# KiCad board ThunderKillV1.kicad_pcb (continued)
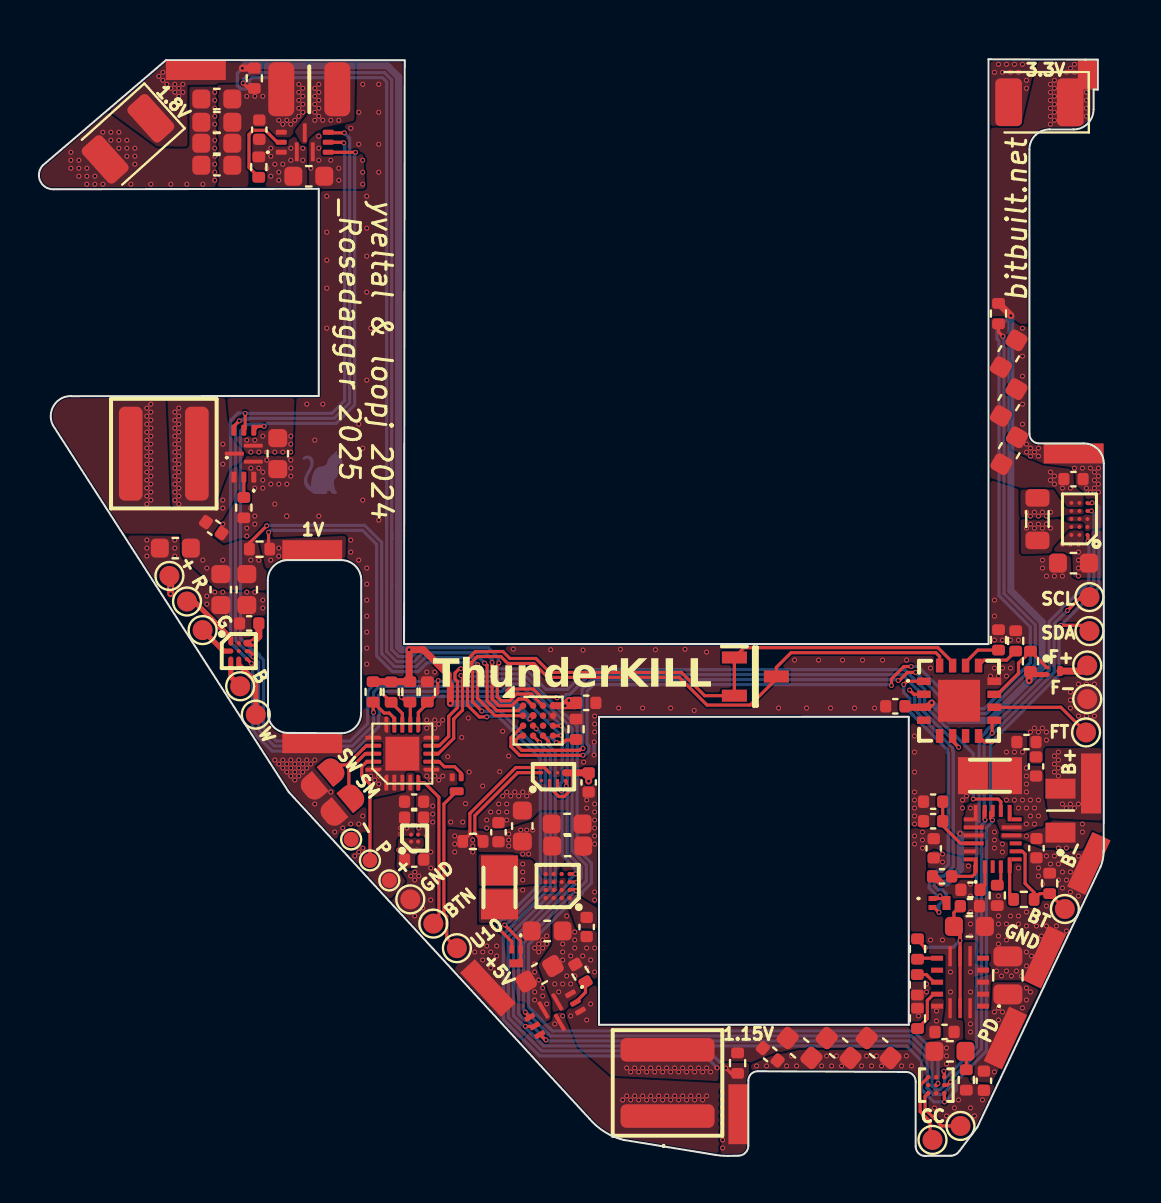
[diagram p0: board, top side]
## Routing (per net, layer and track width the routed paths; a pad name or vN(x,y) marks a point on that pad's centre or on a via; arc(x,y) is an arc through that point) (continued)
Net-(U4-LX1):
  vias: v1(49.34,31.4) v1(49.54,31.6) v1(49.74,31.4) v1(49.94,31.6) v1(50.14,31.4) v1(50.34,31.6) v1(50.54,31.4)
Net-(U4-LX2):
  vias: v1(49.34,32.2) v1(49.54,32) v1(49.74,32.2) v1(49.94,32) v1(50.14,32.2) v1(50.34,32) v1(50.54,32.2)
Net-(U4-VOUT): length 49.9
  Top w0.16: v1(48.17,40.99) 47.94,41.22 R34.1 ; v1(43.8,24.18) 43.39,24.18 42.99,23.78 v1(42.93,23.78) ; v1(27.16,20.38) 27.12,20.33 27.04,20.33 27,20.29 24.09,20.29 23.8,20.58 23.8,20.81 24.01,21.02 U8.D1
  Bottom w0.16: v1(27.16,20.38) 27.12,20.42 27.12,23.35 27.59,23.82 42.89,23.82 v1(42.93,23.78) ; v1(43.8,24.18) 45.86,22.12 47.34,22.12 49.78,24.57 49.78,26.56 48.22,28.13 48.22,40.94 v1(48.17,40.99)
  vias: v1(50.54,34.2) v1(50.54,33.8) v1(50.74,34) v1(50.74,33.6) v1(51.14,33.4) v1(51.54,33.4)
Net-(U8-ADDRSEL): length 2.3
  Top w0.16: 26.81,20.8 26.31,20.8 26.19,20.68 v1(25.83,20.68)
  Bottom w0.16: v1(24.82,21.36) 25.27,20.91 25.59,20.91 25.71,20.8 v1(25.83,20.68)
Net-(U9-CC1): length 3
  Top w0.16: U9.C1 44.27,2.98 44.27,2.33 45.1,1.5 TP16.1
Net-(U9-CC2): length 3.5
  Top w0.16: 44.52,0.78 44.52,1.72 44.02,2.22 44.02,3.53 U9.A1

## Copper pours and planes (outline as drawn; the poured copper is in the pictures)
+1V0 on Top: 10.96,30.81 11.38,28.98 11.71,29.55 12.26,29.78 15.27,29.77 15.31,31.02
+1V8 on Top: 3.38,52.31 5.86,50.49 7.37,50.48 7.37,53.57 10.33,53.59 10.41,53.89 11.21,53.99 11.19,54.79 6.27,54.8
+1V8_ALW on Top: 17.92,15.9 18.76,15.91 18.72,17.22 18.72,18.2 18.73,19.18 18.31,19.18 18.31,18.2 17.49,18 16.67,17.83 16.65,15.3 16.35,13.97 17.44,12.75 18.3,13.73 17.82,14.37
+1V15 on Top: 34.04,4.64 35.47,4.64 35.41,0.42 35.26,0.15 34.98,0.02 33.98,0.04
+3V3 on Top: 47.42,42 48.48,42 49.47,41.31 49.49,50.41 49.73,50.99 50.4,51.34 51.77,51.34 52.3,51.5 52.67,52 52.7,53.33 52.92,53.33 52.92,54.85 49.94,54.83 49.16,51.57 47.45,51.4
+5V on Top: 21.72,16.25 21.84,15.11 21.85,11.56 23,11.57 23.82,7.63 24.25,7.63 25.2,6.69 23.88,5.79 20.67,9.27 21.43,10.36 20.53,10.98 20.31,12.3 20.23,16.39
GND on Top: 62.44,71.47 62.44,-5.7 -7.52,-5.7 -7.52,71.47
GND on Bottom: 62.44,71.47 62.44,-5.7 -7.52,-5.7 -7.52,71.47
GND on In1.Cu: 62.44,71.47 62.44,-5.7 -7.52,-5.7 -7.52,71.47
VBUS on Top: 47.03,15.45 47.04,15.03 46.05,15.03 44.7,15.38 44.3,15.16 44.33,13.71 45.14,13.65 45.21,11.88 45.23,11.09 46.05,10.91 46.18,5.9 45.89,5.55 45.8,3.79 44.64,3.79 44.6,4.22 44.13,4.81 44.27,5.68 45.18,5.82 45.17,6.53 45.3,7.37 45.29,10.04 43.49,10.1 43.51,11.22 43.46,16.4 45.15,16.36 46.02,15.54
VDD on Top: 13.44,50.58 13.46,48.37 16.28,48.37 16.13,50.58 14.08,50.58 14.15,51.43 13.48,50.84
VDD on Top: 51.54,31.3 52.2,31.28 53.23,31.28 53.18,28.89 51.68,28.93 51.64,30.1 50.5,30.14
VDD on Top: 48.04,16.26 49.16,16.2 49.94,16.47 50.59,16.46 50.36,17.61 50.26,19.51 49.37,19.53 49.37,21.17 47.53,21.18 47.53,17.91 47.51,17.66
VDD on Top: 23.82,7.63 24.25,7.63 25.2,6.69 25.54,6.8 25.53,7.74 25.2,8.52 24.8,9.56 25.53,10.59 25.53,11.84 25.89,12.81 25.89,13.1 25.14,13.11 23.84,11.61 23,11.57
VDD on Top: 18.76,15.91 19.19,15.91 19.2,15.5 18.76,14.98 18.76,14.37 17.82,14.37 17.92,15.9
VDD on Top: 10.19,35.12 12.63,35.12 12.73,37.99 9.34,38.01 9.54,36.02 10.19,35.37
VDD on In2.Cu: 62.44,71.47 62.44,-5.7 -7.52,-5.7 -7.52,71.47
+BATT on Top: 53.2,16.76 53.2,15.32 50.14,15.42 49.13,15.83 48.03,15.83 48.04,16.26 49.16,16.2 49.94,16.47 50.59,16.46 50.51,16.89
Net-(F1-Pad2) on Top: 53.2,16.76 53.2,20.4 50.27,20.4 50.26,19.51 50.36,17.61 50.51,16.89
Net-(IC1-SW) on Top: 47.32,15.83 45.83,15.83 45.38,16.32 45.38,20.58 47.54,20.62 47.51,17.66 46.19,17.66 46.2,16.24 47.31,16.24
Net-(IC3-CAP) on Top: 26.29,13.1 26.71,13.1 27.93,12.36 28,11.35 26.85,11.39 26.5,12.37
Net-(IC3-HVLX_1) on Top: 25.89,13.87 25.89,13.5 24.84,13.51 23.71,13.41 21.85,13.41 21.84,15.11 23.66,15.09 24,14.83 24.54,14.83 24.65,14.75 25.11,13.89
Net-(IC3-LVLX_1) on Top: 25.89,13.5 25.89,13.1 25.14,13.11 23.85,11.61 21.85,11.56 21.85,13.41 23.71,13.41 24.84,13.51
Net-(IC3-OUT_1) on Top: 24,14.83 24.54,14.83 25.11,13.89 25.89,13.87 25.89,14.28 26.38,14.98 26.39,17.19 25.03,17.19 24.6,16.73 23.21,16.3 21.72,16.25 21.84,15.11 23.66,15.09
Net-(IC5-EN) on Top: 47.61,3.66 45.8,3.79 45.68,5.72 46.17,5.86 46.03,10.69 46.88,10.7 46.73,9.63 47.47,9.41 47.48,9.16 46.7,8.96 46.81,7.28 47.57,7.28 47.65,8.69 49.2,8.69 49.98,8.29
Net-(U1-SW) on Top: 10.19,34.9 9.51,34.27 8.99,32.69 8.8,32.39 6.51,32.38 6.27,38 9.34,38.01 9.54,36.02 10.19,35.37
Net-(U1-VOS) on Top: 9.88,34.57 10.02,33.38 8.61,30.95 9.17,30.53 10.07,30.81 10.96,30.81 11.38,28.98 11.4,28.27 8.87,28.33 7.16,29.94 7.05,31.11 4.17,31.13 0.67,36.56 0.5,37 0.64,37.55 1.25,38.01 1.67,38 6.27,38 6.51,32.38 8.8,32.39 9.51,34.27 9.87,34.6
Net-(U2-SW) on Top: 33.98,0.02 34.04,3.64 28.55,3.91 26.85,5.39 26.11,7.3 25.2,6.69 25.24,6.61 23.88,5.79 27.73,1.59 28.39,1.1 29.17,0.76
Net-(U2-VOS) on Top: 43.51,6.59 43.55,5.4 37.99,5.4 36.53,5.08 35.47,4.64 34.04,4.64 34.03,3.64 28.55,3.91 27.6,4.74 26.85,5.39 26.2,7.09 27.95,9.05 27.97,6.57
Net-(U3-SW) on Top: 13.45,52.17 12.73,51.25 13.1,50.58 13.44,50.58 13.48,50.84 14.15,51.43 15.72,51.78 15.77,54.81 13.47,54.78
Net-(U3-VOS) on Top: 8.87,48.36 10.42,48.33 10.43,51.25 11.27,51.24 11.81,50.95 12.51,50.95 13.45,52.17 13.47,54.79 11.19,54.79 11.21,53.99 10.41,53.89 10.33,53.59 8.87,53.58
Net-(U4-LX1) on Top: 52.2,31.28 51.54,31.3 50.5,30.14 49.06,30.09 49.05,31.94 50.73,31.93 51.48,31.64 52.19,31.64
Net-(U4-LX2) on Top: 49.05,31.94 50.73,31.93 51.5,32.09 52.2,32.08 52.19,32.46 51.37,32.46 50.74,33.43 49.03,33.42
Net-(U4-VOUT) on Top: 52.19,32.46 52.19,33.11 51.72,33.5 51.68,34.34 50.15,34.54 48.48,35.27 48.48,42 47.42,42 47.45,33.94 49.03,33.42 50.74,33.43 51.37,32.46

## Text on the board
F.Mask: -
F.Silkscreen: 1V | 1.15V | CC | 3.3V | SCL | SDA | F+ | FT | F- | GND | BTN | U10 | PD | B- | B+ | - | + | R | G | B | W | SW | SM | P | +5V | 1.8V | BT | bitbuilt.net | yveltal & loopj 2024 / _Rosedagger 2025 | ThunderKILL
User.1: 1.8V | 1V | 1.15V | 3.3V
